# Altium PCB MB.PcbDoc
Units mm, origin at the board's own origin, x right, y up, seen from the top; angles counter-clockwise.
Board outline 60.08 x 55.27 mm, 2 copper layers (Top Layer, Bottom Layer); 44 components, 40 nets, 151 pads, 52 vias.
Unrouted connection lines stored in the file: 91.
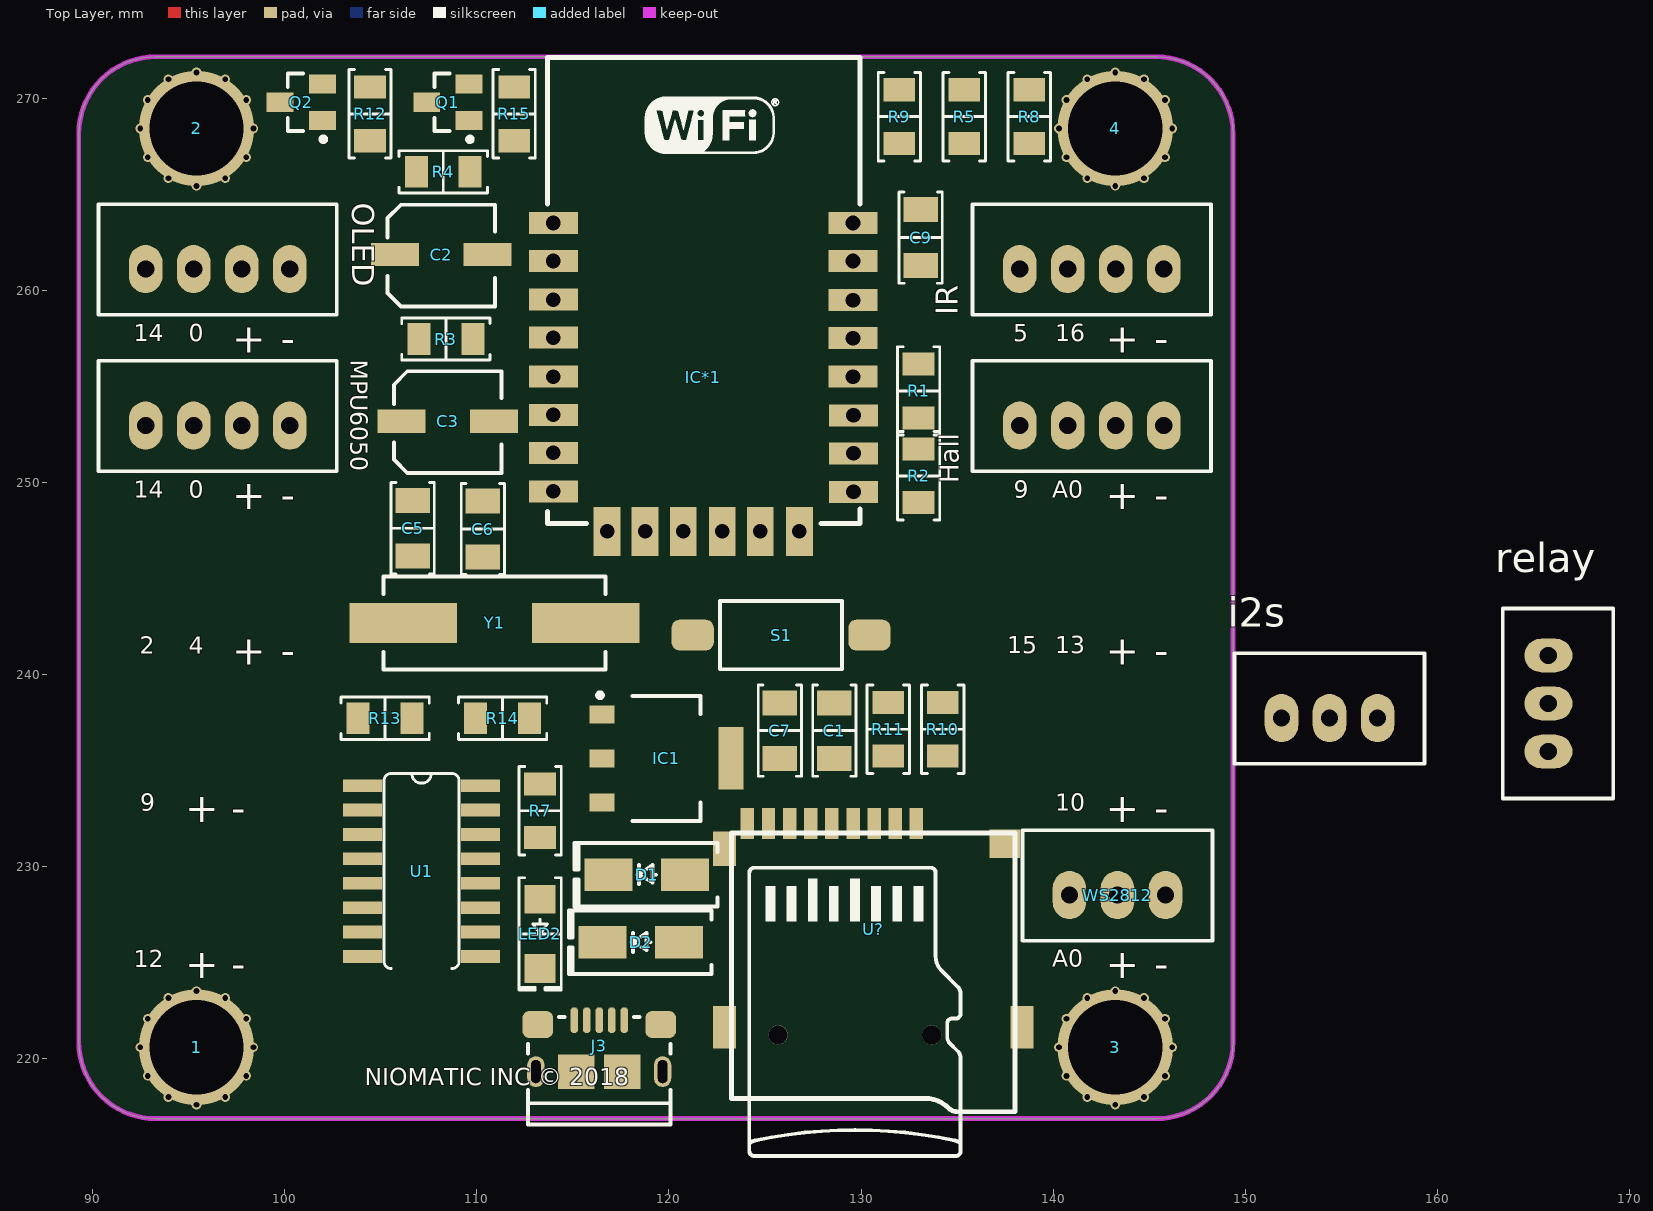
[diagram p0: Top Layer view]
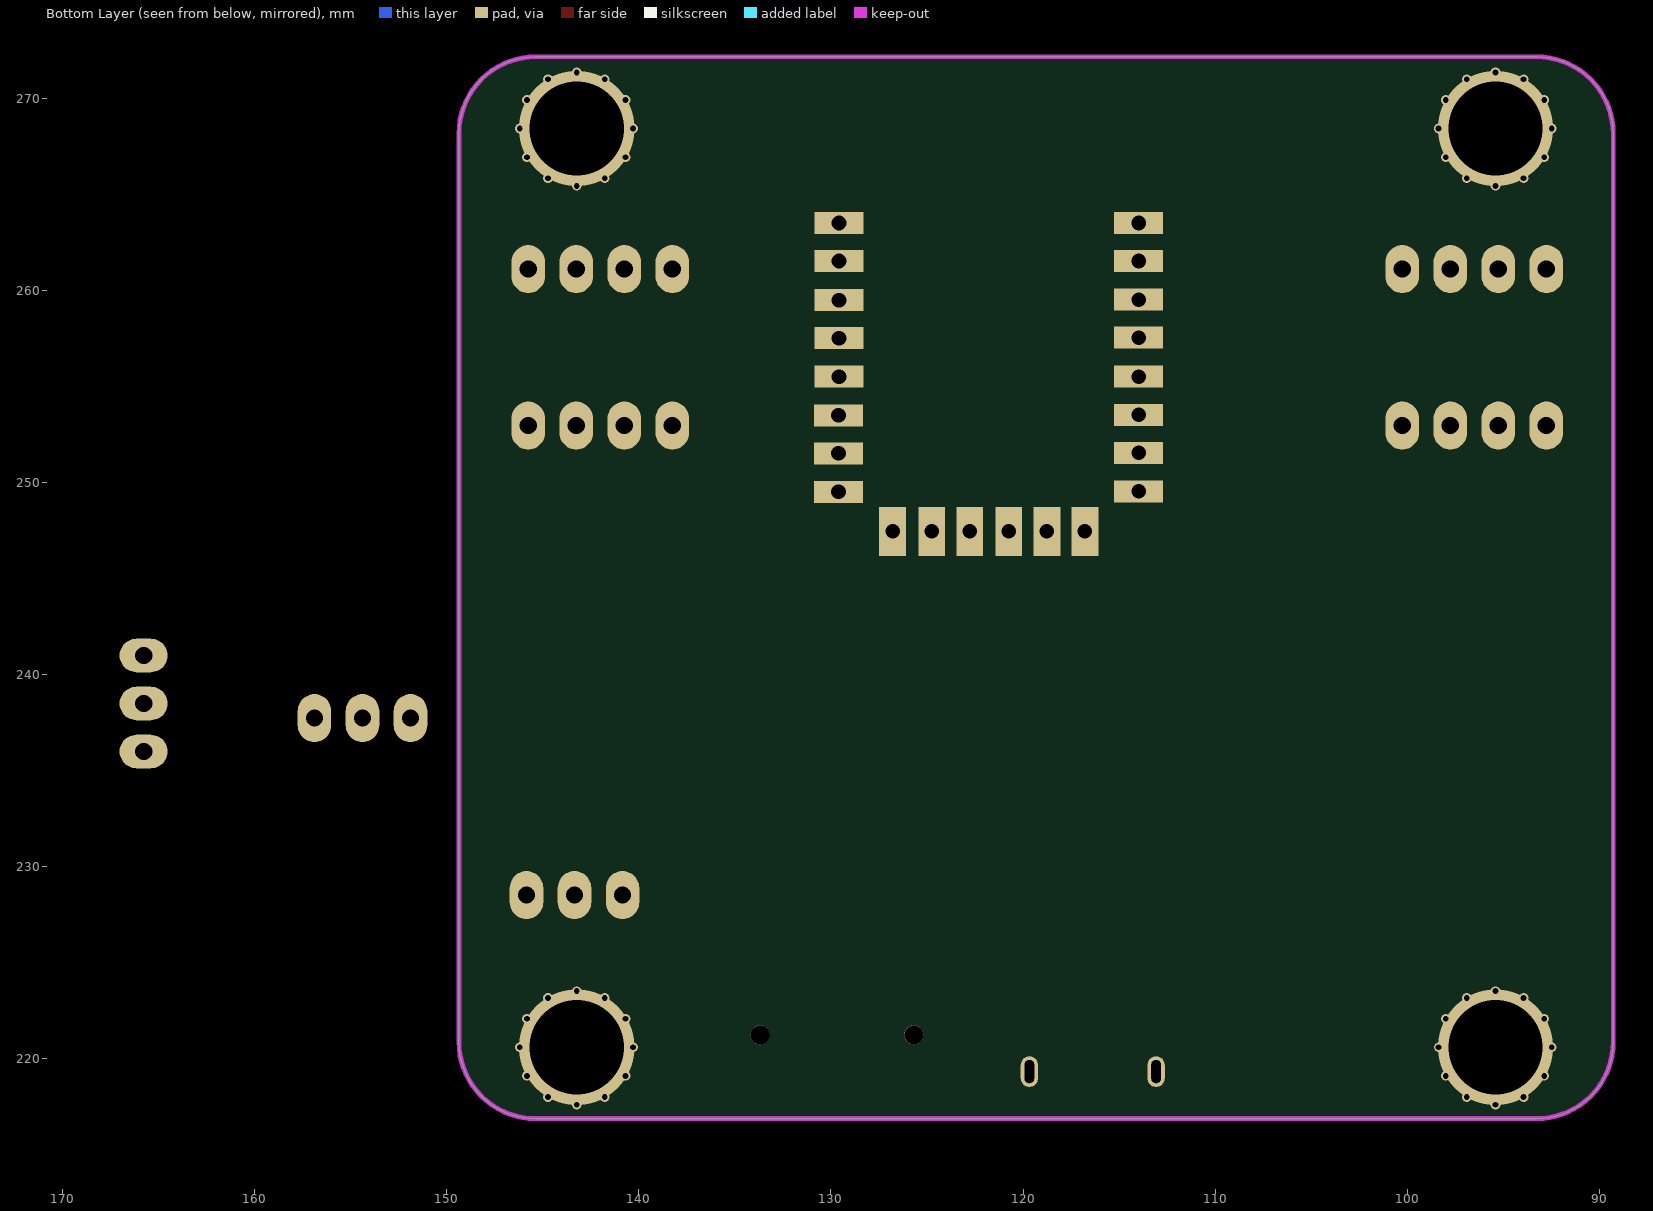
[diagram p1: Bottom Layer view, seen from below]

## Layer stack, top to bottom
Top Solder: solder mask 0.0102, Solder Resist, Dk 3.5
Top Layer: signal copper 0.0356
Dielectric 1: dielectric 0.32, FR-4, Dk 4.8
Bottom Layer: signal copper 0.0356
Bottom Solder: solder mask 0.0102, Solder Resist, Dk 3.5

## Board outline
89.281,220.88 89.281,268.15 cw(c93.281,268.15) 93.281,272.15 145.36,272.15 cw(c145.36,268.15) 149.36,268.15 149.36,220.88 cw(c145.36,220.88) 145.36,216.88 93.281,216.88 cw(c93.281,220.88)

## Design rules (kind name [scope] priority, off if disabled: settings)
Clearance [All] p1: gap=0.2 ignorepadtopadclearanceinfootprint=FALSE
DiffPairsRouting [All] p1: maxlimit=0.254 minlimit=0.254 mostfreqgap=0.254 toplayer_minwidth=0.381 toplayer_maxwidth=0.381 toplayer_prefwidth=0.381 bottomlayer_minwidth=0.381 bottomlayer_maxwidth=0.381 bottomlayer_prefwidth=0.381 maxuncoupledlength=12.7
PolygonConnect [All] p1: connectstyle=Relief reliefconductorwidth=0.254 reliefentries=4 polygonreliefangle="90 Angle" airgapwidth=0.254
RoomDefinition MB [InComponentClass('MB')] p1: confinementstyle=ConfineIn formatcopy=TRUE lockcomponents=FALSE outline 124.943,58.154 144.247,58.154 144.247,75.807 124.943,75.807
RoutingVias [All] p1: holewidth=0.3 width=0.6 viastyle="Through Hole" minholewidth=0.3 minwidth=0.6 maxholewidth=0.3 maxwidth=0.6
SMDNeckDown [All] p1: percent=50.000
SolderMaskExpansion [All] p1: expansion=0.102
UnConnectedPin [All] p1:
UnRoutedNet [All] p1: checkbadconnections=TRUE
Width [InNet('GND')] p1: maxlimit=0.3 minlimit=0.3 preferedwidth=0.3
Width Width_1 [InNet('VDD5V')] p2: maxlimit=0.3 minlimit=0.3 preferedwidth=0.3
Width Width_2 [InNet('VDD3V3')] p3: maxlimit=0.3 minlimit=0.3 preferedwidth=0.3
Width Width_3 [InNet('No Net')] p4: maxlimit=0.2 minlimit=0.2 preferedwidth=0.2
28 further rules are at their usual default settings.

## Classes and differential pairs
differential pair D: +D_P -D_N

## Components (designator, comment, footprint, x,y, rotation, side; value= is the part's Value field where it differs from the comment)
1 "Lego" "Lego Hole" 95.41,220.6 r90 top
2 "Lego" "Lego Hole" 95.41,268.417 r90 top
3 "Lego" "Lego Hole" 143.23,220.6 r90 top
4 "Lego" "Lego Hole" 143.23,268.417 r90 top
C1 "470pF" "CAP 1206/3216" 128.605,237.075 r90 top value=0.1uF
C2 "100uF" "CAP ALUM 5MM" 107.95,261.85 r0 top value=10uF
C3 "10uF" "CAP ALUM 5MM" 108.28,253.18 r0 top
C5 "22pF" "CAP 1206/3216" 106.66,247.61 r270 top value=0.1uF
C6 "22pF" "CAP 1206/3216" 110.31,247.57 r270 top value=0.1uF
C7 "100nF" "CAP 1206/3216" 125.77,237.075 r90 top value=0.1uF
C9 "100nF" "CAP 1206/3216" 133.1,262.74 r270 top value=0.1uF
D1 "1N5819/SS14/S4" "DO214AC SMA" 118.84,229.58 r180 top
D2 "1N4007/M7(DO-214AC)" "DO214AC SMA" 118.53,226.06 r180 top
Hall "Hall" "JST XH B4B-XH-A" 142.002,252.955 r180 top
i2s "i2s" "JST XH B3B-XH-A" 154.38,237.73 r180 top
IC1 "AMS1117 - 3.3V" AMS1117 119.87,235.63 r0 top
IC*1 "ESP8266 ESP-12-E" "ESP8266 ESP-12-E" 130.57,247.09 r0 top
IR "IR" "JST XH B4B-XH-A" 142.002,261.1 r180 top
J3 "USB Micro" "FCI USB 10118193-0001LF" 116.37,219.38 r180 top
LED2 "RED" "LED 1206/3216 BLUE" 113.29,226.5 r270 top value=Green
MPU6050 "MPU6050" "JST XH B4B-XH-A" 96.51,252.955 r180 top
OLED "OLED" "JST XH B4B-XH-A" 96.51,261.1 r180 top
Q1 "S8050" SOT23 108.49,269.78 r180 top
Q2 "S8050" SOT23 100.86,269.78 r180 top
R1 "12K" "RES 1206/3216" 132.99,254.76 r270 top value=1K
R2 "12K" "RES 1206/3216" 132.99,250.34 r90 top value=1K
R3 "12K" "RES 1206/3216" 108.39,257.46 r180 top value=1K
R4 "12K" "RES 1206/3216" 108.25,266.16 r180 top value=1K
R5 "12K" "RES 1206/3216" 135.37,269.035 r270 top value=1K
R7 "470R" "RES 1206/3216" 113.29,232.91 r270 top value=1K
R8 "220K (1%)" "RES 1206/3216" 138.75,269.035 r90 top value=1K
R9 "100K  (1%)" "RES 1206/3216" 131.99,269.035 r270 top value=1K
R10 "0(NC)" "RES 1206/3216" 134.25,237.15 r270 top value=1K
R11 "470R" "RES 1206/3216" 131.415,237.15 r90 top value=1K
R12 "12K" "RES 1206/3216" 104.44,269.18 r90 top value=1K
R13 "470R" "RES 1206/3216" 105.22,237.72 r0 top value=1K
R14 "470R" "RES 1206/3216" 111.34,237.72 r0 top value=1K
R15 "12K" "RES 1206/3216" 111.94,269.18 r90 top value=1K
relay "relay" "JST XH B3B-XH-A" 165.77,238.49 r90 top
S1 "But 2 PIN" "TE FSMSMTR" 125.83,242.05 r270 top
U1 "CH340" SO16 107.12,229.77 r270 top
U? "TFWF1-EBXX-1X0X" "SD CARD" 130.63,226.74 r0 top
WS2812 "WS2812" "JST XH B3B-XH-A" 143.342,228.52 r180 top
Y1 "12Mhz" xtal 110.92,242.68 r0 top

## Footprints (in the part's own frame and the unit in brackets; to place one, negate y for a bottom-side part, rotate by r counter-clockwise, add the part's x,y. Pads: shape width x height; smd on the part's side, far side on the other; paste and mask are expansions set on the pad)
AMS1117 [mm]
  rect 1.3x0.95 smd: 1(-3.35,2.29) 2(-3.35,0) 3(-3.35,-2.29)
  rect 1.3x3.25 smd: ""(3.35,0)
  silkscreen extent -3.58,-3.25 1.78,3.41, body extent -3.47,-3.25 3.47,3.25, height 1.64
"CAP 1206/3216" [mm] "Chip Capacitor, 2-Leads, Body 3.25x1.60mm, IPC Medium Density"
  rect 1.3x1.8 smd: 1(-1.45,0) 2(1.45,0)
  silkscreen extent -2.37,-1.12 2.38,1.12, body extent -1.6,-0.81 1.6,0.81, height 1.62
"CAP ALUM 5MM" [mm] "Aluminum Electrolytic Capacitor, Body 6.60x6.60x7.70mm, IPC Low Density"
  rect 2.5x1.2 smd: 1(-2.2,0) 2(2.6,0)
  silkscreen extent -2.6,-2.7 3,2.6, body extent -2.9,-2.7 3.4,2.6, height 5.7
"DO214AC SMA" [mm] "Molded Diode, 2-Leads, Body 4.30x2.60mm, IPC Medium Density"
  rect 2.5x1.7 smd: 1(-2,0) 2(2,0)
  silkscreen extent -3.68,-1.65 3.75,1.65, body extent -2.6,-1.37 2.6,1.37, height 2.4
"ESP8266 ESP-12-E" [mil] "ESP8266 ESP-12-E"
  rect 100x45 hole 30: 1(-653,646) 2(-653,568) 3(-653,489) 4(-653,411) 5(-653,331) 6(-653,253) 7(-653,175) 8(-653,96) 15(-38,95) 16(-38,174) 17(-38,252) 18(-39,331) 19(-39,410) 20(-39,488) 21(-39,568) 22(-39,646)
  rect 55x100 hole 30: 9(-543,14) 10(-465,14) 11(-387,14) 12(-307,14) 13(-229,14) 14(-149,14)
  silkscreen extent -665,30 -25,985, body extent -656,39 -26,983
"FCI USB 10118193-0001LF" [mm] "USB 2.0 Type B Micro"
  oval 0.4x1.35 smd: 1(1.3,-2.625) 2(0.65,-2.625) 3(0,-2.625) 4(-0.65,-2.625) 5(-1.3,-2.625)
  oval 0.9x1.6 hole 0.5 slot 1.2 at 90 deg: S(-3.3,0.05) S(3.3,0.05)
  rrect50% 1.6x1.4 smd: S(-3.2,-2.4) S(3.2,-2.4)
  rect 1.9x1.8 smd: S(-1.2,0.05) S(1.2,0.05)
  silkscreen extent -3.7,-2.8 3.7,2.8, body extent -3.93,-2.9 3.93,2.76, height 2.78
"JST XH B3B-XH-A" [mm]
  oval 1.75x2.5 hole 0.9: 1(-2.5,0) 2(0,0) 3(2.5,0)
  silkscreen extent -4.95,-3.38 4.95,2.38, body extent -4.95,-3.38 4.95,2.38, height 7
"JST XH B4B-XH-A" [mm]
  oval 1.75x2.5 hole 0.9: 1(-3.75,0) 2(-1.25,0) 3(1.25,0) 4(3.75,0)
  silkscreen extent -6.2,-3.38 6.2,2.38, body extent -6.2,-3.38 6.2,2.38, height 7
"LED 1206/3216 BLUE" [mm] "Chip Diode, 2-Leads, Body 3.13x1.55mm, IPC Medium Density"
  rect 1.5x1.6 smd: 1(-1.8,0) 2(1.8,0)
  silkscreen extent -2.92,-1.1 2.92,1.1, body extent -1.6,-0.8 1.6,0.8, height 0.9
"Lego Hole" [mm]
"RES 1206/3216" [mm] "Chip Resistor, 2-Leads, Body 3.13x1.55mm, IPC Medium Density"
  rect 1.2x1.65 smd: 1(-1.4,0) 2(1.4,0)
  silkscreen extent -2.3,-1.1 2.3,1.1, body extent -1.57,-0.8 1.62,0.8, height 0.6
"SD CARD" [mm] "T-FLASH PUSH-PUSH"
  round 1 hole 1 unplated: 0(-4.95,-5.5) 0(3.05,-5.5)
  rect 0.7x1.6 smd: 1(2.25,5.5) 2(1.15,5.5) 3(0.05,5.5) 4(-1.05,5.5) 5(-2.15,5.5) 6(-3.25,5.5) 7(-4.35,5.5) 8(-5.45,5.5) 9(-6.55,5.5)
  rect 1.2x1.8 smd: 10(-7.75,4.2)
  rect 1.2x2.2 smd: 11(-7.75,-5.1) 12(7.75,-5.1)
  rect 1.6x1.5 smd: 13(6.85,4.45)
  silkscreen extent -7.38,-11.8 7.37,5, body extent -8,-11.81 8,5.72, height 1.85
SO16 [mil]
  rect 26x80 smd: 1(-175,-121) 2(-125,-121) 3(-75,-121) 4(-25,-121) 5(25,-121) 6(75,-121) 7(125,-121) 8(175,-121) 9(175,121) 10(125,121) 11(75,121) 12(25,121) 13(-25,121) 14(-75,121) 15(-125,121) 16(-175,121)
  silkscreen extent -200,-77 200,77, body extent -196,-121 196,121, height 70
SOT23 [mm]
  rect 1.4x1 smd: B(-1.1,0.95) C(1.1,0) E(-1.1,-0.95)
  silkscreen extent -1.27,-1.5 0.7,2.05, body extent -1.27,-1.46 1.27,1.46, height 1
"TE FSMSMTR" [mm]
  rrect50% 1.6x2.19 smd: 1(0,4.595) 2(0,-4.595)
  silkscreen extent -1.78,-3.17 1.78,3.18, body extent -1.75,-4.98 1.75,4.98, height 4.42
xtal [mm] "Crystal, 2-Leads, Body 4.70x11.40mm, Pitch 8.80mm, IPC Medium Density"
  rect 5.6x2.1 smd: 1(-4.75,0) 2(4.75,0)
  silkscreen extent -5.77,-2.43 5.77,2.43, body extent -6.35,-2.35 6.35,2.35, height 4.2

## Part data
C1 C5 C6 C7 C9: library part Capacitor, "SMT Capacitor"
C2 C3: library part "Polarised Capacitor", "SMT Polarised Capacitor"
D1 D2: library part Diode, "Rectifier Diode"
Hall IR MPU6050 OLED: library part "4 Pin"
i2s relay WS2812: library part "3 Pin"
IC1: library part AMS1117, Manufacturer_Name="Advanced Monolithic Systems", Manufacturer_Part_Number=ams1117-3.3v, Package=SOT229P700X180-4N, DeviceSetName=AMS1117-3.3V, GateName_1=G$1, Height=1.8mm, LibraryName=ams1117-3.3v, Supplier_Name=RS, SymbolName_1=AMS1117-3.3V
J3: library part "USB 2.0 Type B Micro"
LED2: library part LED, "Chip LED"
Q1 Q2: library part 2N2222, "NPN", De="Seyed Mohsen Ghasemian", E-mail=picpars@gmail.com, web=www.picpars.com
R1 R2 R3 R4 R5 R7 R8 R9 R10 R11 R12 R13 R14 R15: library part Resistor, "SMT Resistor"
U1: Package=None, Availability=Bad, MF="Eaton / Cutler Hammer", MP=CH340, Price="223.47 USD"
U?: library part "SD CARD", "T-Flash 8pin SMT", Manufacturer="Wellco T&C Co., Ltd.", Manufacture Part #=TFWF1-EBXX-1X0X
Y1: library part xtal, "SMT Crystal"

## Via types
v1: diameter 0.5, hole 0.3, Top Layer to Bottom Layer, 48 vias
v2: diameter 6, hole 4.9, Top Layer to Bottom Layer, 4 vias

## Nets (pads, with @x,y where several pads share a name; then routed paths per layer and width w, separated by ;. In a path a pad name is that pad's centre, name@x,y a point inside that pad or via, vN(x,y) a via of type N, cw(c..) or ccw(c..) an arc to the next point about the centre after c; other vN are vias at no path point)
ADC: IC*1.2 R8.2 R9.1
ADC_EX: Hall.3 R8.1
CS: IC*1.4 LED2.2 R10.1 U?.2 WS2812.3
D_N: J3.2 U1.6
D_P: J3.3 U1.5
EN: IC*1.3 R3.1
GND: C1.1 C2.2 C3.2 C5.1 C6.1 C7.1 C9.1 Hall.1 i2s.1 IC1.1 IC*1.15 IR.1 J3.5 MPU6050.1 OLED.1 R5.2 R9.2 relay.1 S1.2 U1.1 U?.6 U?.10 WS2812.1
GPIO0: IC*1.18 IR.4 MPU6050.3 OLED.3 Q2.C R1.1
GPIO2: IC*1.17 R2.1
GPIO4: IC*1.19 IR.3
GPIO05: relay.3
GPIO5: IC*1.20
GPIO9: Hall.4 IC*1.11
GPIO10: IC*1.12
GPIO12: IC*1.6 U?.7
GPIO13: IC*1.7 U?.3
GPIO14: IC*1.5 MPU6050.4 OLED.4 U?.5
GPIO15: IC*1.16 R5.1
NetC7_2: C7.2 U1.4
NetLED2_1: LED2.1 R7.2
NetQ1_B: Q1.B R12.1
NetQ1_E: Q1.E R15.2 U1.14
NetQ2_B: Q2.B R15.1
NetQ2_E: Q2.E R12.2 U1.13
NetR10_2: R10.2 R11.2 S1.1
NetR13_1: R13.1 U1.3
NetR14_1: R14.1 U1.2
nRST: C1.2 IC*1.1 Q1.C R4.1 R11.1
OTG_ID: J3.4
RXD0: i2s.3 IC*1.21 R14.2
SPI_CLK: IC*1.14
SPI_INT: IC*1.13
SPI_MISO: IC*1.10
SPI_MOSI: IC*1.9
TXD0: IC*1.22 R13.2
VDD3V3: C2.1 IC1.2 IC*1.8 R1.2 R2.2 R3.2 R4.2 R7.1 U?.4
VDD5V: C3.1 C9.2 D1.2 D2.2 Hall.2 i2s.2 IC1.3 IR.2 MPU6050.2 OLED.2 relay.2 U1.16 WS2812.2
VDDUSB: D1.1 D2.1 J3.1
XI: C6.2 U1.7 Y1.2
XO: C5.2 U1.8 Y1.1
pads on no net: IC1. J3.S U1.9 U1.10 U1.11 U1.12 U1.15 U?.0 U?.1 U?.8 U?.9 U?.11 U?.12 U?.13
copper on no net:
  other v1: 95.41,217.611 143.23,217.611 93.944,218.011 96.905,218.011 141.764,218.011 144.725,218.011 92.872,219.105 97.999,219.105 140.692,219.105 145.819,219.105 92.48,220.6 98.37,220.6 140.3,220.6 146.19,220.6 92.872,222.081 97.999,222.081 140.692,222.081 145.819,222.081 93.944,223.164 96.905,223.164 141.764,223.164 144.725,223.164 95.41,223.521 143.23,223.521 95.41,265.428 143.23,265.428 93.944,265.829 96.905,265.829 141.764,265.829 144.725,265.829 92.872,266.923 97.999,266.923 140.692,266.923 145.819,266.923 92.48,268.417 98.37,268.417 140.3,268.417 146.19,268.417 92.872,269.898 97.999,269.898 140.692,269.898 145.819,269.898 93.944,270.981 96.905,270.981 141.764,270.981 144.725,270.981 95.41,271.338 143.23,271.338
  other v2: 95.41,220.6 143.23,220.6 95.41,268.417 143.23,268.417

## Keep-outs
Keep-Out Layer:
  the board outline again, w0.254

## Silkscreen, mask and mechanical layers (free items; w line width, h text height)
Top Overlay:
  region: 200.59,260.19
  text "5" at 137.928,257.04 h1.52
  text "14" at 92.137,257.023 h1.52
  text "0" at 95.011,257.032 h1.52
  text "16" at 140.098,257.032 h1.52
  text "+" at 97.281,256.751 h1.52
  text "-" at 99.781,256.751 h1.52
  text "+" at 142.744,256.751 h1.52
  text "-" at 145.244,256.751 h1.52
  text "0" at 95.011,248.89 h1.52
  text "9" at 137.931,248.89 h1.52
  text "A0" at 139.949,248.89 h1.52
  text "14" at 92.137,248.882 h1.52
  text "+" at 97.281,248.61 h1.52
  text "-" at 99.781,248.61 h1.52
  text "+" at 142.744,248.61 h1.52
  text "-" at 145.244,248.61 h1.52
  text "15" at 137.595,240.78 h1.52
  text "13" at 140.098,240.78 h1.52
  text "2" at 92.463,240.772 h1.52
  text "4" at 94.992,240.774 h1.52
  text "+" at 97.281,240.5 h1.52
  text "-" at 99.781,240.5 h1.52
  text "+" at 142.744,240.5 h1.52
  text "-" at 145.244,240.5 h1.52
  text "9" at 92.468,232.59 h1.52
  text "10" at 140.1,232.59 h1.52
  text "+" at 94.822,232.31 h1.52
  text "-" at 97.224,232.31 h1.52
  text "+" at 142.744,232.31 h1.52
  text "-" at 145.244,232.31 h1.52
  text "12" at 92.14,224.462 h1.52
  text "A0" at 139.949,224.47 h1.52
  text "+" at 94.822,224.19 h1.52
  text "-" at 97.224,224.19 h1.52
  text "+" at 142.744,224.19 h1.52
  text "-" at 145.244,224.19 h1.52
  text "NIOMATIC INC © 2018" at 104.17,218.299 h1.52
Top Solder:
  drawing of 379 lines, arcs and shapes, not listed
  text "NIOT Kit" at 104.17,220.079 h2

## Text inside footprints (layer, text, board x,y; h text height)
IC*1: Mechanical 13 "ANTENNA AREA" at 113.985,271.489 h0.25; Mechanical 13 "CUTOUT POLYGON" at 113.985,270.981 h0.25